# Allegro board 1155000-zp-dic_pda_8ch_board_v002.brd (continued)
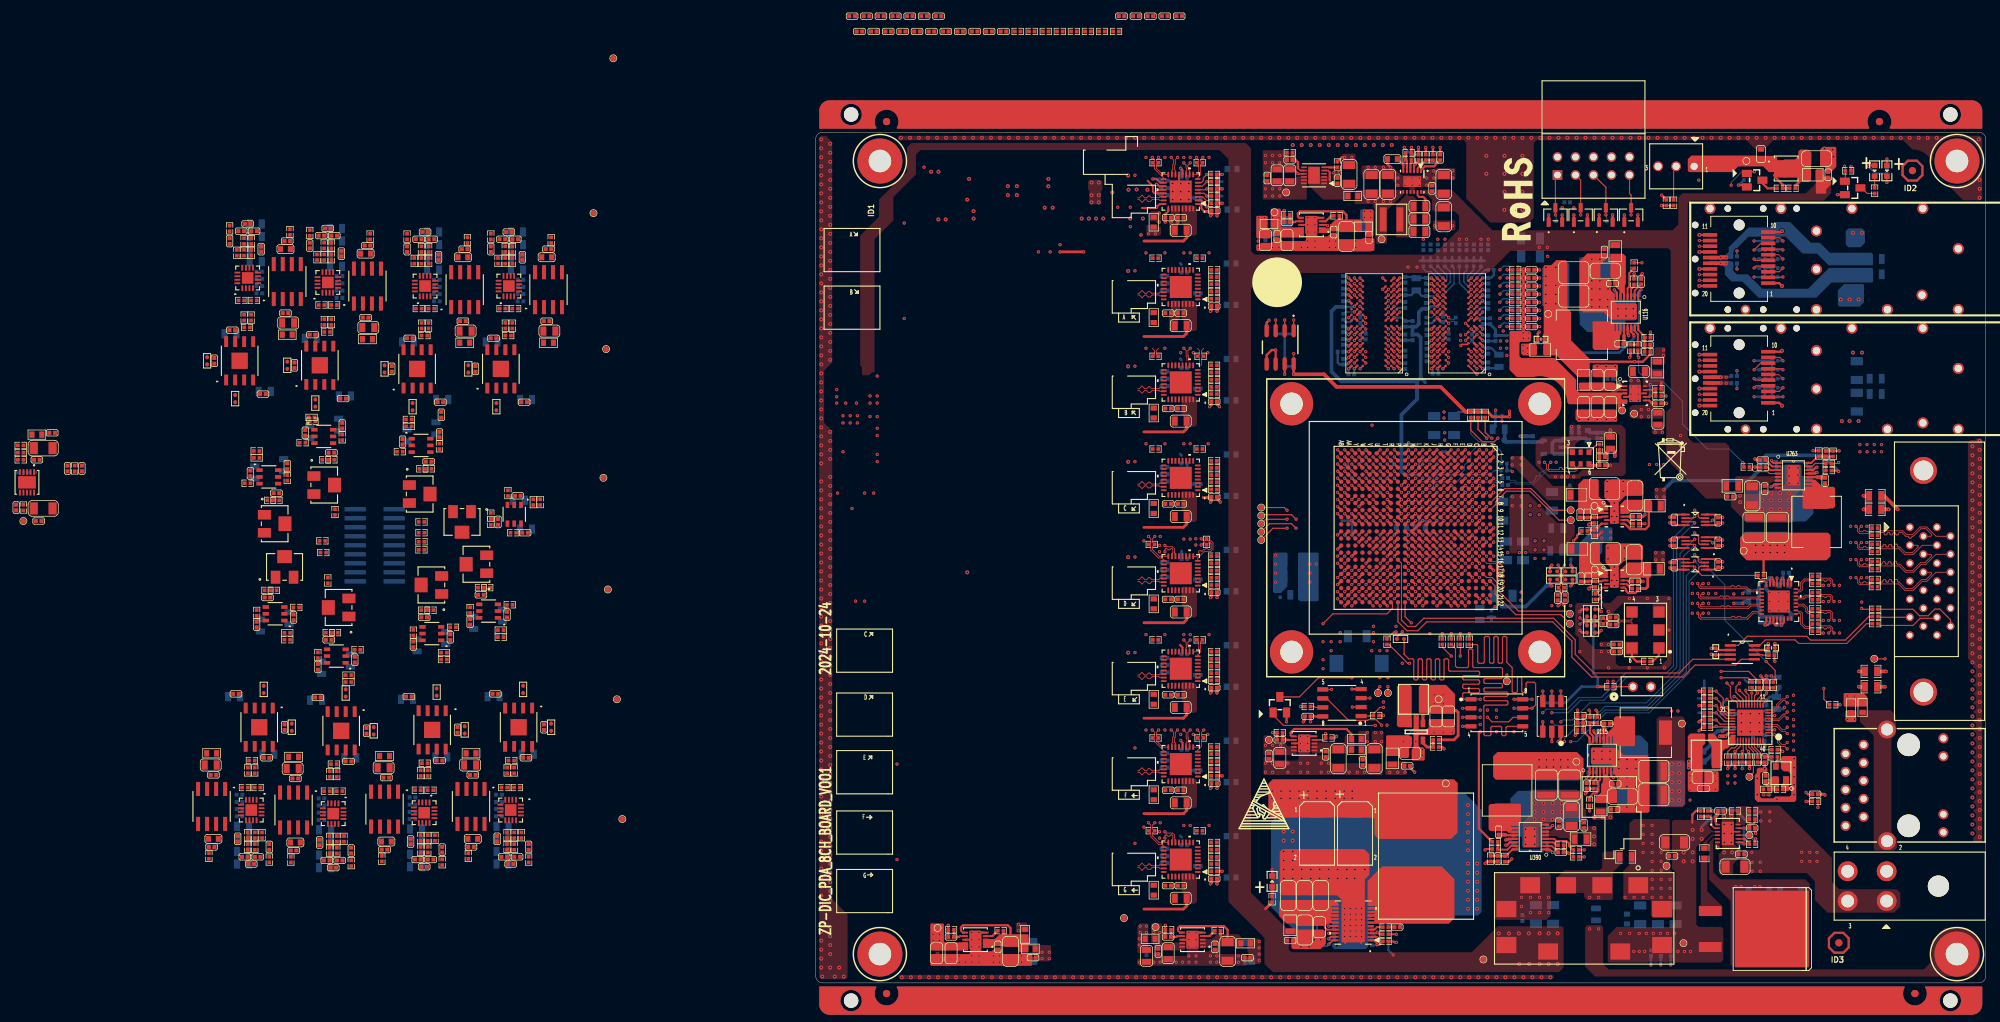
[diagram p0: board, top side]
## Nets (continued)
ADC3_CLK_N: R3055.1 U1.B12(IO_L2N_T0_AD8N_15) U372.16(CLK-)
ADC3_CLK_P: R3055.2 U1.C12(IO_L2P_T0_AD8P_15) U372.17(CLK+)
ADC3_CNV_N: R3054.1 U1.F16(IO_L3N_T0_DQS_AD1N_15) U372.8(CNV-)
ADC3_CNV_P: R3054.2 U1.F15(IO_L3P_T0_DQS_AD1P_15) U372.9(CNV+)
ADC3_DATA_N: U1.G16(IO_L1N_T0_AD0N_15) U372.10(D-)
ADC3_DATA_P: U1.G15(IO_L1P_T0_AD0P_15) U372.11(D+)
ADC3_DCO_N: U1.D16(IO_L11N_T1_SRCC_AD12N_15) U372.14(DCO-)
ADC3_DCO_P: U1.D15(IO_L11P_T1_SRCC_AD12P_15) U372.15(DCO+)
ADC3_EN0: R3063.2 R3064.2 U372.4(EN0)
ADC3_EN1: R3061.2 R3062.2 U372.5(EN1)
ADC3_EN2: R3059.2 R3060.2 U372.6(EN2)
ADC3_EN3: R3057.2 R3058.2 U372.7(EN3)
ADC3_IN+: C3183.2(CAP1) C3184.1(CAP2) R2775.2 U372.23(IN+)
ADC3_IN-: C3181.2(CAP1) C3183.1(CAP2) R2768.2 U372.22(IN-)
ADC3_VCM_OUT: C3186.1(CAP2) C3311.2(CAP1) R3068.2 U355.9(VCOM)
ADC3_VIO: C3306.2(CAP1) L373.2 R3058.1 R3060.1 R3062.1 R3064.1 U372.12(VIO)
ADC3_VREF: C3307.1(CAP2) C3308.2(CAP1) R2186.2 U372.29(REF) U372.30(REF_2) U372.31(REF_3) U372.32(REF_4)
ADC4_CLK_N: R3076.1 U1.J17(IO_L16N_T2_A27_15) U375.16(CLK-)
ADC4_CLK_P: R3076.2 U1.J16(IO_L16P_T2_A28_15) U375.17(CLK+)
ADC4_CNV_N: R3075.1 U1.G17(IO_L15N_T2_DQS_ADV_B_15) U375.8(CNV-)
ADC4_CNV_P: R3075.2 U1.H17(IO_L15P_T2_DQS_15) U375.9(CNV+)
ADC4_DATA_N: U1.E19(IO_L17N_T2_A25_15) U375.10(D-)
ADC4_DATA_P: U1.F18(IO_L17P_T2_A26_15) U375.11(D+)
ADC4_DCO_N: U1.D17(IO_L14N_T2_SRCC_15) U375.14(DCO-)
ADC4_DCO_P: U1.E16(IO_L14P_T2_SRCC_15) U375.15(DCO+)
ADC4_EN0: R3084.2 R3085.2 U375.4(EN0)
ADC4_EN1: R3082.2 R3083.2 U375.5(EN1)
ADC4_EN2: R3080.2 R3081.2 U375.6(EN2)
ADC4_EN3: R3078.2 R3079.2 U375.7(EN3)
ADC4_IN+: U375.23(IN+)
ADC4_IN-: U375.22(IN-)
ADC4_VCM_OUT: C3325.2(CAP1) R3089.2
ADC4_VIO: C3320.2(CAP1) L376.2 R3079.1 R3081.1 R3083.1 R3085.1 U375.12(VIO)
ADC4_VREF: C3321.1(CAP2) C3322.2(CAP1) R2187.2 U375.29(REF) U375.30(REF_2) U375.31(REF_3) U375.32(REF_4)
ADC5_CLK_N: R3096.1 U1.Y22(IO_L7N_T1_13) U378.16(CLK-)
ADC5_CLK_P: R3096.2 U1.Y21(IO_L7P_T1_13) U378.17(CLK+)
ADC5_CNV_N: R3097.1 U1.AB21(IO_L8N_T1_13) U378.8(CNV-)
ADC5_CNV_P: R3097.2 U1.AA20(IO_L8P_T1_13) U378.9(CNV+)
ADC5_DATA_N: U1.AB22(IO_L9N_T1_DQS_13) U378.10(D-)
ADC5_DATA_P: U1.AA21(IO_L9P_T1_DQS_13) U378.11(D+)
ADC5_DCO_N: U1.Y19(IO_L13N_T2_MRCC_13) U378.14(DCO-)
ADC5_DCO_P: U1.Y18(IO_L13P_T2_MRCC_13) U378.15(DCO+)
ADC5_EN0: R3105.2 R3106.2 U378.4(EN0)
ADC5_EN1: R3103.2 R3104.2 U378.5(EN1)
ADC5_EN2: R3101.2 R3102.2 U378.6(EN2)
ADC5_EN3: R3099.2 R3100.2 U378.7(EN3)
ADC5_IN+: C3114.2(CAP1) C3115.1(CAP2) R2712.2 U378.23(IN+)
ADC5_IN-: C3112.2(CAP1) C3114.1(CAP2) R2705.2 U378.22(IN-)
ADC5_VCM_OUT: C3117.1(CAP2) C3339.2(CAP1) R3110.2 U345.9(VCOM)
ADC5_VIO: C3334.2(CAP1) L379.2 R3100.1 R3102.1 R3104.1 R3106.1 U378.12(VIO)
ADC5_VREF: C3335.1(CAP2) C3336.2(CAP1) R2196.2 U378.29(REF) U378.30(REF_2) U378.31(REF_3) U378.32(REF_4)
ADC6_CLK_N: R3118.1 U1.A16(IO_L8N_T1_AD3N_15) U381.16(CLK-)
ADC6_CLK_P: R3118.2 U1.B16(IO_L8P_T1_AD3P_15) U381.17(CLK+)
ADC6_CNV_N: R3117.1 U1.A15(IO_L9N_T1_DQS_AD11N_15) U381.8(CNV-)
ADC6_CNV_P: R3117.2 U1.B15(IO_L9P_T1_DQS_AD11P_15) U381.9(CNV+)
ADC6_DATA_N: U1.C15(IO_L7N_T1_AD10N_15) U381.10(D-)
ADC6_DATA_P: U1.C14(IO_L7P_T1_AD10P_15) U381.11(D+)
ADC6_DCO_N: U1.E18(IO_L13N_T2_MRCC_15) U381.14(DCO-)
ADC6_DCO_P: U1.E17(IO_L13P_T2_MRCC_15) U381.15(DCO+)
ADC6_EN0: R3126.2 R3127.2 U381.4(EN0)
ADC6_EN1: R3124.2 R3125.2 U381.5(EN1)
ADC6_EN2: R3122.2 R3123.2 U381.6(EN2)
ADC6_EN3: R3120.2 R3121.2 U381.7(EN3)
ADC6_IN+: C3229.2(CAP1) C3230.1(CAP2) R2817.2 U381.23(IN+)
ADC6_IN-: C3227.2(CAP1) C3229.1(CAP2) R2810.2 U381.22(IN-)
ADC6_VCM_OUT: C3232.1(CAP2) C3353.2(CAP1) R3131.2 U360.9(VCOM)
ADC6_VIO: C3348.2(CAP1) L382.2 R3121.1 R3123.1 R3125.1 R3127.1 U381.12(VIO)
ADC6_VREF: C3349.1(CAP2) C3350.2(CAP1) R2197.2 U381.29(REF) U381.30(REF_2) U381.31(REF_3) U381.32(REF_4)
ADC7_CLK_N: R3139.1 U1.AB18(IO_L15N_T2_DQS_13) U384.16(CLK-)
ADC7_CLK_P: R3139.2 U1.AA18(IO_L15P_T2_DQS_13) U384.17(CLK+)
ADC7_CNV_N: R3138.1 U1.AB16(IO_L16N_T2_13) U384.8(CNV-)
ADC7_CNV_P: R3138.2 U1.AB15(IO_L16P_T2_13) U384.9(CNV+)
ADC7_DATA_N: U1.AB17(IO_L17N_T2_13) U384.10(D-)
ADC7_DATA_P: U1.AA16(IO_L17P_T2_13) U384.11(D+)
ADC7_DCO_N: U1.Y17(IO_L14N_T2_SRCC_13) U384.14(DCO-)
ADC7_DCO_P: U1.W17(IO_L14P_T2_SRCC_13) U384.15(DCO+)
ADC7_EN0: R3147.2 R3148.2 U384.4(EN0)
ADC7_EN1: R3145.2 R3146.2 U384.5(EN1)
ADC7_EN2: R3143.2 R3144.2 U384.6(EN2)
ADC7_EN3: R3141.2 R3142.2 U384.7(EN3)
ADC7_IN+: C3160.2(CAP1) C3161.1(CAP2) R2754.2 U384.23(IN+)
ADC7_IN-: C3158.2(CAP1) C3160.1(CAP2) R2747.2 U384.22(IN-)
ADC7_VCM_OUT: C3163.1(CAP2) C3367.2(CAP1) R3152.2 U352.9(VCOM)
ADC7_VIO: C3362.2(CAP1) L385.2 R3142.1 R3144.1 R3146.1 R3148.1 U384.12(VIO)
ADC7_VREF: C3363.1(CAP2) C3364.2(CAP1) R2198.2 U384.29(REF) U384.30(REF_2) U384.31(REF_3) U384.32(REF_4)
ADC8_CLK_N: R3160.1 U1.B13(IO_L5N_T0_AD2N_15) U387.16(CLK-)
ADC8_CLK_P: R3160.2 U1.C13(IO_L5P_T0_AD2P_15) U387.17(CLK+)
ADC8_CNV_N: R3159.1 U1.D14(IO_L6N_T0_VREF_15) U387.8(CNV-)
ADC8_CNV_P: R3159.2 U1.E14(IO_L6P_T0_15) U387.9(CNV+)
ADC8_DATA_N: U1.A14(IO_L4N_T0_AD9N_15) U387.10(D-)
ADC8_DATA_P: U1.A13(IO_L4P_T0_AD9P_15) U387.11(D+)
ADC8_DCO_N: U1.C18(IO_L12N_T1_MRCC_AD5N_15) U387.14(DCO-)
ADC8_DCO_P: U1.C17(IO_L12P_T1_MRCC_AD5P_15) U387.15(DCO+)
ADC8_EN0: R3168.2 R3169.2 U387.4(EN0)
ADC8_EN1: R3166.2 R3167.2 U387.5(EN1)
ADC8_EN2: R3164.2 R3165.2 U387.6(EN2)
ADC8_EN3: R3162.2 R3163.2 U387.7(EN3)
ADC8_IN+: C3206.2(CAP1) C3207.1(CAP2) C3252.2(CAP1) C3253.1(CAP2) R2796.2 R2838.2 U387.23(IN+)
ADC8_IN-: C3204.2(CAP1) C3206.1(CAP2) C3250.2(CAP1) C3252.1(CAP2) R2789.2 R2831.2 U387.22(IN-)
ADC8_VCM_OUT: C3209.1(CAP2) C3255.1(CAP2) C3381.2(CAP1) R3173.2 U359.9(VCOM) U364.9(VCOM)
ADC8_VIO: C3376.2(CAP1) L388.2 R3163.1 R3165.1 R3167.1 R3169.1 U387.12(VIO)
ADC8_VREF: C3377.1(CAP2) C3378.2(CAP1) R2199.2 U387.29(REF) U387.30(REF_2) U387.31(REF_3) U387.32(REF_4)
ADC_PWREN: R3198.1 R3200.1 U1.R22(IO_L24N_T3_A00_D16_14)
CLK_SEL: J77.1 R2120.2 R2126.2 U1.F14(IO_6_T0_VREF_16)
DDR3_A_A0: R460.2 U1.AB5(IO_L1N_T0_33) U75.N3(A0) U76.N3(A0)
DDR3_A_A1: R461.2 U1.AA8(IO_L5N_T0_33) U75.P7(A1) U76.P7(A1)
DDR3_A_A2: R462.2 U1.W11(IO_L6P_T0_33) U75.P3(A2) U76.P3(A2)
DDR3_A_A3: R463.2 U1.AA6(IO_L3P_T0_DQS_33) U75.N2(A3) U76.N2(A3)
DDR3_A_A4: R464.2 U1.V10(IO_L15P_T2_DQS_33) U75.P8(A4) U76.P8(A4)
DDR3_A_A5: R465.2 U1.AB6(IO_L3N_T0_DQS_33) U75.P2(A5) U76.P2(A5)
DDR3_A_A6: R466.2 U1.AA9(IO_L5P_T0_33) U75.R8(A6) U76.R8(A6)
DDR3_A_A7: R467.2 U1.AA10(IO_L4P_T0_33) U75.R2(A7) U76.R2(A7)
DDR3_A_A8: R468.2 U1.U11(IO_L17N_T2_33) U75.T8(A8) U76.T8(A8)
DDR3_A_A9: R469.2 U1.AB7(IO_L2N_T0_33) U75.R3(A9) U76.R3(A9)
DDR3_A_A10: R470.2 U1.R7(IO_L8P_T1_33) U75.L7(A10/AP) U76.L7(A10/AP)
DDR3_A_A11: R471.2 U1.U10(IO_L14P_T2_SRCC_33) U75.R7(A11) U76.R7(A11)
DDR3_A_A12: R472.2 U1.AB8(IO_L2P_T0_33) U75.N7(A12/BC#) U76.N7(A12/BC#)
DDR3_A_A13: R473.2 U1.AB10(IO_L4N_T0_33) U75.T3(A13) U76.T3(A13)
DDR3_A_A14: R474.2 U1.T11(IO_L16P_T2_33) U75.T7(A14) U76.T7(A14)
DDR3_A_A15: R475.2 U1.V8(IO_L9N_T1_DQS_33) U75.M7(A15) U76.M7(A15)
DDR3_A_BA0: R476.2 U1.U8(IO_L9P_T1_DQS_33) U75.M2(BA0) U76.M2(BA0)
DDR3_A_BA1: R477.2 U1.T10(IO_L16N_T2_33) U75.N8(BA1) U76.N8(BA1)
DDR3_A_BA2: R478.2 U1.W10(IO_L15N_T2_DQS_33) U75.M3(BA2) U76.M3(BA2)
DDR3_A_CAS_B: R481.2 U1.R6(IO_L8N_T1_33) U75.K3(CAS#) U76.K3(CAS#)
DDR3_A_CKE: R483.2 U1.U6(IO_L10N_T1_33) U75.K9(CKE) U76.K9(CKE)
DDR3_A_CLK0_N: R488.2 U1.Y7(IO_L12N_T1_MRCC_33) U75.K7(CK#) U76.K7(CK#)
DDR3_A_CLK0_P: R488.1 U1.Y8(IO_L12P_T1_MRCC_33) U75.J7(CK) U76.J7(CK)
DDR3_A_D0: U1.W1(IO_L20P_T3_34) U75.E3(DQ0)
DDR3_A_D1: U1.AA3(IO_L23P_T3_34) U75.F7(DQ1)
DDR3_A_D2: U1.W5(IO_L19P_T3_34) U75.F2(DQ2)
DDR3_A_D3: U1.AA1(IO_L22P_T3_34) U75.F8(DQ3)
DDR3_A_D4: U1.AA4(IO_L24P_T3_34) U75.H3(DQ4)
DDR3_A_D5: U1.AB3(IO_L24N_T3_34) U75.H8(DQ5)
DDR3_A_D6: U1.Y1(IO_L20N_T3_34) U75.G2(DQ6)
DDR3_A_D7: U1.AB2(IO_L23N_T3_34) U75.H7(DQ7)
DDR3_A_D8: U1.U5(IO_L16N_T2_34) U75.D7(DQ8)
DDR3_A_D9: U1.T4(IO_L13P_T2_MRCC_34) U75.C3(DQ9)
DDR3_A_D10: U1.V3(IO_L17P_T2_34) U75.C8(DQ10)
DDR3_A_D11: U1.N5(IO_L18P_T2_34) U75.C2(DQ11)
DDR3_A_D12: U1.W2(IO_L17N_T2_34) U75.A7(DQ12)
DDR3_A_D13: U1.P5(IO_L18N_T2_34) U75.A2(DQ13)
DDR3_A_D14: U1.V4(IO_L14P_T2_SRCC_34) U75.B8(DQ14)
DDR3_A_D15: U1.T5(IO_L16P_T2_34) U75.A3(DQ15)
DDR3_A_D16: U1.R4(IO_L11N_T1_SRCC_34) U76.E3(DQ0)
DDR3_A_D17: U1.T1(IO_L10P_T1_34) U76.F7(DQ1)
DDR3_A_D18: U1.P4(IO_L11P_T1_SRCC_34) U76.F2(DQ2)
DDR3_A_D19: U1.R2(IO_L7N_T1_34) U76.F8(DQ3)
DDR3_A_D20: U1.P2(IO_L7P_T1_34) U76.H3(DQ4)
DDR3_A_D21: U1.U1(IO_L10N_T1_34) U76.H8(DQ5)
DDR3_A_D22: U1.R3(IO_L12P_T1_MRCC_34) U76.G2(DQ6)
DDR3_A_D23: U1.T3(IO_L12N_T1_MRCC_34) U76.H7(DQ7)
DDR3_A_D24: U1.N2(IO_L5N_T0_34) U76.D7(DQ8)
DDR3_A_D25: U1.L1(IO_L2N_T0_34) U76.C3(DQ9)
DDR3_A_D26: U1.L5(IO_L6P_T0_34) U76.C8(DQ10)
DDR3_A_D27: U1.L3(IO_L1P_T0_34) U76.C2(DQ11)
DDR3_A_D28: U1.M3(IO_L1N_T0_34) U76.A7(DQ12)
DDR3_A_D29: U1.K1(IO_L2P_T0_34) U76.A2(DQ13)
DDR3_A_D30: U1.N3(IO_L5P_T0_34) U76.B8(DQ14)
DDR3_A_D31: U1.K2(IO_L4N_T0_34) U76.A3(DQ15)
DDR3_A_DM0: U1.AB1(IO_L22N_T3_34) U75.E7(LDM)
DDR3_A_DM1: U1.U3(IO_L13N_T2_MRCC_34) U75.D3(UDM)
DDR3_A_DM2: U1.P1(IO_L8P_T1_34) U76.E7(LDM)
DDR3_A_DM3: U1.K3(IO_L4P_T0_34) U76.D3(UDM)
DDR3_A_DQS0_N: U1.Y2(IO_L21N_T3_DQS_34) U75.G3(LDQS#)
DDR3_A_DQS0_P: U1.Y3(IO_L21P_T3_DQS_34) U75.F3(LDQS)
DDR3_A_DQS1_N: U1.V2(IO_L15N_T2_DQS_34) U75.B7(UDQS#)
DDR3_A_DQS1_P: U1.U2(IO_L15P_T2_DQS_34) U75.C7(UDQS)
DDR3_A_DQS2_N: U1.N4(IO_L9N_T1_DQS_34) U76.G3(LDQS#)
DDR3_A_DQS2_P: U1.M5(IO_L9P_T1_DQS_34) U76.F3(LDQS)
DDR3_A_DQS3_N: U1.M1(IO_L3N_T0_DQS_34) U76.B7(UDQS#)
DDR3_A_DQS3_P: U1.M2(IO_L3P_T0_DQS_34) U76.C7(UDQS)
DDR3_A_ODT: R484.2 U1.Y6(IO_L7N_T1_33) U75.K1(ODT0) U76.K1(ODT0)
DDR3_A_RAS_B: R482.2 U1.W6(IO_L7P_T1_33) U75.J3(RAS#) U76.J3(RAS#)
DDR3_A_RESET_B: R8.1 U1.W12(IO_L19P_T3_33) U75.T2(RESET#) U76.T2(RESET#)
DDR3_A_S0_B: R479.2 U1.AA5(IO_L1P_T0_33) U75.L2(CS#) U76.L2(CS#)
DDR3_A_WE_B: R480.2 U1.U7(IO_L10P_T1_33) U75.L3(WE#) U76.L3(WE#)
EEPROM_CS_B: R2152.2 U1.M20(IO_L18P_T2_A12_D28_14) U273.1(C\S\)
EEPROM_SCK: U1.L21(IO_L18N_T2_A11_D27_14) U273.6(SCK)
EEPROM_SI: U1.R18(IO_L19P_T3_A10_D26_14) U273.5(SI)
EEPROM_SO: U1.R19(IO_L19N_T3_A09_D25_VREF_14) U273.2(SO)
EEPROM_WP_B: U1.P19(IO_L20P_T3_A08_D24_14) U273.3(W\P\)
FAN_FG: R1928.2 R1929.2 U1.N20(IO_L17P_T2_A14_D30_14)
FPGA_CCLK_R: R507.1 U1.G7(CCLK_0)
FPGA_CONFIG_D0_R: R503.1 U1.H18(IO_L1P_T0_D00_MOSI_14)
FPGA_CONFIG_D1_R: R505.1 U1.H19(IO_L1N_T0_D01_DIN_14)
FPGA_CONFIG_D2_R: R509.1 U1.G18(IO_L2P_T0_D02_14)
FPGA_CONFIG_D3_R: R511.1 U1.F19(IO_L2N_T0_D03_14)
FPGA_DONE_R: Q15.1(GATE) R395.2 U1.P6(DONE_0)
FPGA_INIT_B_R: R4.2 U1.L7(INIT_B_0)
FPGA_M0: R337.1 R342.2 U1.H7(M0_0)
FPGA_M1: R338.1 R341.2 U1.H6(M1_0)
FPGA_M2: R339.1 R340.2 U1.J5(M2_0)
FPGA_MASTER_CLOCK_C_N: C3010.2(CAP1) R2208.2 R2210.2 R2211.1 U1.G10(IO_L13N_T2_MRCC_16)
FPGA_MASTER_CLOCK_C_P: C3009.2(CAP1) R2209.2 R2210.1 R2212.1 U1.G11(IO_L13P_T2_MRCC_16)
FPGA_MASTER_CLOCK_N: C3010.1(CAP2) U103.5(OUT-)
FPGA_MASTER_CLOCK_P: C3009.1(CAP2) U103.4(OUT+)
FPGA_PROG_B_R: R42.2 U1.M6(PROGRAM_B_0)
FPGA_RESET: R41.1 U1.E8(IO_24_T3_16)
FPGA_SFP1_LOS: P3.8(LOS) R14.2 U287.7(B1)
FPGA_SFP1_LOS_1V8: U1.K21(IO_L16P_T2_CSI_B_14) U287.2(A1)
FPGA_SFP1_RX_N: P3.12(RD_N) U1.G3(MGTXRXN0_115)
FPGA_SFP1_RX_P: P3.13(RD_P) U1.G4(MGTXRXP0_115)
FPGA_SFP1_TX_DIS_1V8: U1.M17(IO_L14P_T2_SRCC_14) U49.7(B1)
FPGA_SFP1_TX_DISABLE: P3.3(TX_DISABLE) R12.2 U49.2(A1)
FPGA_SFP1_TX_N: P3.19(TD_N) U1.F1(MGTXTXN0_115)
FPGA_SFP1_TX_P: P3.18(TD_P) U1.F2(MGTXTXP0_115)
FPGA_SFP1_VCCR: C23.1(CAP2) C114.1(CAP2) L6.2 P3.15(VCCR)
FPGA_SFP1_VCCT: C22.1(CAP2) C115.1(CAP2) L7.2 P3.16(VCCT)
FPGA_SFP2_LOS: P4.8(LOS) R2151.2 U287.6(B2)
FPGA_SFP2_LOS_1V8: U1.K22(IO_L16N_T2_A15_D31_14) U287.3(A2)
FPGA_SFP2_RX_N: P4.12(RD_N) U1.C3(MGTXRXN2_115)
FPGA_SFP2_RX_P: P4.13(RD_P) U1.C4(MGTXRXP2_115)
FPGA_SFP2_TX_DIS_1V8: U1.M18(IO_L14N_T2_SRCC_14) U49.6(B2)
FPGA_SFP2_TX_DISABLE: P4.3(TX_DISABLE) R2147.2 U49.3(A2)
FPGA_SFP2_TX_N: P4.19(TD_N) U1.B1(MGTXTXN2_115)
FPGA_SFP2_TX_P: P4.18(TD_P) U1.B2(MGTXTXP2_115)
FPGA_SFP2_VCCR: C2490.1(CAP2) C2491.1(CAP2) L290.2 P4.15(VCCR)
FPGA_SFP2_VCCT: C2492.1(CAP2) C2493.1(CAP2) L291.2 P4.16(VCCT)
FPGA_TCK: D2.3 J1.1 R456.2 U1.K7(TCK_0)
FPGA_TDI: D5.3 J1.9 U1.K6(TDI_0)
FPGA_TDO: D3.3 J1.3 U1.J6(TDO_0)
FPGA_TIMING_LVDS_EN: R2135.2 U271.8(EN) U286.2(A1)
FPGA_TIMING_LVDS_EN_1V8: U1.N22(IO_L15P_T2_DQS_RDWR_B_14) U286.7(B1)
FPGA_TMS: D4.3 J1.5 R455.2 U1.L6(TMS_0)
INPUT_GND: C1134.2(CAP1) C1136.1(CAP2) C1139.2(CAP1) C1140.2(CAP1) C1142.2(CAP1) C1144.2(CAP1) C1145.1(CAP2) C1146.1(CAP2) C1147.2(CAP1) C1148.1(CAP2) C1149.2(CAP1) C1150.2(CAP1) C1151.2(CAP1) C1152.1(CAP2) J18.2(GND#2) J18.4(GND#4) R1036.2 R1063.2 R2122.1 TP38.1 U111.1(BUS-1) U111.10(BUS-2) U112.10(GND) U112.13(HOTGND)
MGTAVCC: C144.1(CAP2) C426.1(CAP2) C427.1(CAP2) L100.2 U1.A6(MGTAVCC#A6) U1.C6(MGTAVCC#C6) U1.E6(MGTAVCC#E6) U1.G6(MGTAVCC#G6)
MGTAVCC_PG: R1100.2 R1115.1 U118.5(PG)
MGTAVTT: C146.1(CAP2) C430.1(CAP2) C431.1(CAP2) L102.2 R165.2 U1.A2(MGTAVTT#A2) U1.C2(MGTAVTT#C2) U1.E2(MGTAVTT#E2) U1.G2(MGTAVTT#G2) U1.H1(MGTAVTTRCAL_115)
MGTAVTT_PG: R1116.2 U1.N17(IO_L23N_T3_A02_D18_14)
MGTVCCAUX: C2488.1(CAP2) C2489.2(CAP1) L287.2 TP146.1 U272.5(VOUT)
PDA_CH5: J60.3(CH5) R3211.1
PDA_CH6: J60.15(CH6) R3208.1
PDA_CH7: J60.4(CH7) R3209.1
PDA_CH8: J60.14(CH8) R3210.1
PDA_CH9: J60.5(CH9) R3207.1
PDA_CH10: J60.13(CH10) R3212.1
PDA_CH11: J60.6(CH11) R3213.1
PDA_CH12: J60.12(CH12) R3214.1
PMT_CHANNEL_SELECT_1: J78.6 R2156.2 U1.H10(IO_18_T2_16)
PMT_CHANNEL_SELECT_2: J78.5 R2155.2 U1.D9(IO_L19P_T3_16)
PMT_CHANNEL_SELECT_3: J78.4 R2154.2 U1.C9(IO_L19N_T3_VREF_16)
QSPI_CLK: R507.2 U102.6(CLK)
QSPI_CS_B: R496.2 R502.2 U102.1(C\S\)
QSPI_CS_B_R: R502.1 U1.L16(IO_L6P_T0_FCS_B_14)
QSPI_MISO0: R503.2 U102.5(DI/IO0)
QSPI_MISO1: R505.2 U102.2(DO/IO1)
QSPI_MISO2: R497.2 R509.2 U102.3(\W\P\/IO2)
QSPI_MISO3: R498.2 R511.2 U102.7(\H\O\L\D\/IO3)
RF_ENABLE: R2124.2 U154.8(B1)
RF_ENABLE_1V8: U1.P22(IO_L22N_T3_A04_D20_14) U154.5(A1)
RF_FAULT: R2125.2 U154.1(B2)
RF_FAULT_1V8: U1.P16(IO_L23P_T3_A03_D19_14) U154.4(A2)
RF_FPS_TRIGGER_N: U1.H8(IO_L16N_T2_16) U271.12(IN1-)
RF_FPS_TRIGGER_N_C: J75.8(SERTFG-) R2216.2
RF_FPS_TRIGGER_P: U1.H9(IO_L16P_T2_16) U271.11(IN1+)
RF_FPS_TRIGGER_P_C: J75.21(SERTFG+) R2215.2
RF_MOD_IN_FIXED_N: U1.F8(IO_L17N_T2_16) U271.14(IN2-)
RF_MOD_IN_FIXED_N_C: J75.9(CC1-) R2218.2
RF_MOD_IN_FIXED_P: U1.G8(IO_L17P_T2_16) U271.13(IN2+)
RF_MOD_IN_FIXED_P_C: J75.22(CC1+) R2217.2
RF_MOD_IN_VARIABLE_N: U1.E9(IO_L15N_T2_DQS_16) U271.16(IN3-)
RF_MOD_IN_VARIABLE_N_C: J75.23(CC2-) R2220.2
RF_MOD_IN_VARIABLE_P: U1.F9(IO_L15P_T2_DQS_16) U271.15(IN3+)
RF_MOD_IN_VARIABLE_P_C: J75.10(CC2+) R2219.2
RF_SYNC_N: R2226.2 U1.F13(IO_L8N_T1_16)
RF_SYNC_P: R2225.2 U1.G13(IO_L8P_T1_16)
SFP_MGT_REFCLK_C_N: C989.1(CAP2) U1.D5(MGTREFCLK0N_115)
SFP_MGT_REFCLK_C_P: C990.1(CAP2) U1.D6(MGTREFCLK0P_115)
SFP_MGT_REFCLK_N: C989.2(CAP1) U270.5(CLKN)
SFP_MGT_REFCLK_P: C990.2(CAP1) U270.4(CLKP)
SFPGA_25M_OSC_ETH: C865.1(CAP2) R858.2 U93.37(XTAL_OUT/EXT_CLK)
SFPGA_ETH_LED0: R2242.2 R2248.1 U93.32(LED_0/CFG_EXT)
SFPGA_ETH_LED1: R835.1 R2244.2 R2250.1 U93.33(LED_1/CFG_LDO0)
SFPGA_ETH_LED2: J6.12 R2245.2 R2249.1 U93.34(LED_2/CFG_LDO1)
SFPGA_ETH_RESET_B: R853.2 U286.3(A2)
SFPGA_ETH_RST#_1V8: U1.M22(IO_L15N_T2_DQS_DOUT_CSO_B_14) U286.6(B2)
SFPGA_ETH_TD_M_A: J6.3 U93.2(MDIN0)
SFPGA_ETH_TD_M_B: J6.7 U93.5(MDIN1)
SFPGA_ETH_TD_M_C: J6.6 U93.7(MDIN2)
SFPGA_ETH_TD_M_D: J6.9 U93.10(MDIN3)
SFPGA_ETH_TD_P_A: J6.2 U93.1(MDIP0)
SFPGA_ETH_TD_P_B: J6.4 U93.4(MDIP1)
SFPGA_ETH_TD_P_C: J6.5 U93.6(MDIP2)
SFPGA_ETH_TD_P_D: J6.8 U93.9(MDIP3)
SFPGA_RGMII_MDC: R854.2 U1.G20(IO_L4P_T0_D04_14)
SFPGA_RGMII_MDIO: R855.2 U1.F20(IO_L4N_T0_D05_14)
SFPGA_RGMII_RX_CLK: R2229.2 R2233.1 U1.L19(IO_L12P_T1_MRCC_14) U93.27(RX_CLK/PHYAD1)
SFPGA_RGMII_RX_CTL: R2231.2 R2234.1 U1.J21(IO_L10P_T1_D14_14) U93.26(RX_CTRL/PHYAD2)
SFPGA_RGMII_RXD0: R2236.2 R2238.1 U1.H22(IO_L8P_T1_D11_14) U93.25(RX_D0/RXDLY)
SFPGA_RGMII_RXD1: R2235.2 R2237.1 U1.G22(IO_L8N_T1_D12_14) U93.24(RX_D1/TXDLY)
SFPGA_RGMII_RXD2: R2239.1 R2240.2 U1.G21(IO_L9P_T1_DQS_14) U93.23(RX_D2/PLLOFF)
SFPGA_RGMII_RXD3: R2230.2 R2232.1 U1.F21(IO_L9N_T1_DQS_D13_14) U93.22(RX_D3/PHYAD0)
SFPGA_RGMII_TX_CLK: U1.J20(IO_L11P_T1_SRCC_14) U93.20(GTX_CLK)
SFPGA_RGMII_TX_CTL: U1.E22(IO_L7N_T1_D10_14) U93.19(TX_CTRL)
SFPGA_RGMII_TXD0: U1.L18(IO_L5P_T0_D06_14) U93.18(TD_D0)
SFPGA_RGMII_TXD1: U1.K19(IO_L5N_T0_D07_14) U93.17(TD_D1)
SFPGA_RGMII_TXD2: U1.K17(IO_L6N_T0_D08_VREF_14) U93.16(TD_D2)
SFPGA_RGMII_TXD3: U1.E21(IO_L7P_T1_D09_14) U93.15(TD_D3)
SYS_CLK_CON_N: C939.1(CAP2) J75.5(XCLK-)
SYS_CLK_CON_P: C940.1(CAP2) J75.18(XCLK+)
TIMING_SPI_CLK_N: U1.E12(IO_L10N_T1_16) U271.10(IN0-)
TIMING_SPI_CLK_N_C: J75.20(SERTC-) R2214.2
TIMING_SPI_CLK_P: U1.E13(IO_L10P_T1_16) U271.9(IN0+)
TIMING_SPI_CLK_P_C: J75.7(SERTC+) R2213.2
TIMING_SPI_CSN_N: R2224.2 U1.H13(IO_L9N_T1_DQS_16)
TIMING_SPI_CSN_P: R2223.2 U1.H14(IO_L9P_T1_DQS_16)
TIMING_SPI_MISO_N: R2228.2 U1.F10(IO_L11N_T1_SRCC_16)
TIMING_SPI_MISO_P: R2227.2 U1.F11(IO_L11P_T1_SRCC_16)
TIMING_SPI_MOSI_N: R2222.2 U1.C10(IO_L7N_T1_16)
TIMING_SPI_MOSI_P: R2221.2 U1.D10(IO_L7P_T1_16)
TIMING_SYNC_REFCLK_N: C939.2(CAP1) R2127.2 R2205.2 R2207.1 U1.D11(IO_L12N_T1_MRCC_16)
TIMING_SYNC_REFCLK_P: C940.2(CAP1) R2127.1 R2204.2 R2206.1 U1.E11(IO_L12P_T1_MRCC_16)
TMP75_ALERT: R501.2 U1.P21(IO_L22P_T3_A05_D21_14) U79.3(ALERT)
TMP75_IIC_SCL: R500.2 U1.P17(IO_L21N_T3_DQS_A06_D22_14) U79.2(SCL)
TMP75_IIC_SDA: R499.2 U1.R17(IO_L21P_T3_DQS_14) U79.1(SDA)
VREG: C1158.1(CAP2) R1041.1 R1050.1 U113.18(VREG)
VRN_33: R2140.2 U1.T6(IO_0_VRN_33)
VRN_34: R2142.2 U1.K4(IO_0_VRN_34)
VRP_33: R2141.1 U1.T14(IO_25_VRP_33)
VRP_34: R2143.1 U1.V5(IO_25_VRP_34)
VTTDDR: C13.1(CAP2) C14.1(CAP2) C15.1(CAP2) C342.1(CAP2) C343.1(CAP2) C344.1(CAP2) C521.1(CAP2) C522.1(CAP2) C523.1(CAP2) C524.1(CAP2) C525.1(CAP2) C526.1(CAP2) C527.1(CAP2) C546.1(CAP2) C547.1(CAP2) C548.1(CAP2) C549.1(CAP2) C550.1(CAP2) C551.1(CAP2) C552.1(CAP2) C553.1(CAP2) C554.1(CAP2) C555.1(CAP2) R460.1 R461.1 R462.1 R463.1 R464.1 R465.1 R466.1 R467.1 R468.1 R469.1 R470.1 R471.1 R472.1 R473.1 R474.1 R475.1 R476.1 R477.1 R478.1 R479.1 R480.1 R481.1 R482.1 R483.1 R484.1 TP48.1 U23.3(VO) U23.5(VOSNS)
VTTVREF: C97.1(CAP2) C187.2(CAP1) C462.1(CAP2) C463.1(CAP2) C491.1(CAP2) C492.1(CAP2) C506.1(CAP2) C507.1(CAP2) C520.1(CAP2) C544.2(CAP1) C545.1(CAP2) C563.1(CAP2) C573.1(CAP2) C640.1(CAP2) TP49.1 U1.L4(IO_L6N_T0_VREF_34) U1.Y4(IO_L19N_T3_VREF_34) U1.Y11(IO_L6N_T0_VREF_33) U1.Y12(IO_L19N_T3_VREF_33) U23.6(REFOUT) U75.H1(VREFDQ) U75.M8(VREFCA) U76.H1(VREFDQ) U76.M8(VREFCA)
XADC_AGND: C2.2(CAP1) L3.2 U1.K11(GNDADC_0) U1.L11(VREFN_0) U1.M12(VREFP_0)
XADC_VCC: C2.1(CAP2) L5.1 U1.K12(VCCADC_0)
$7N830: Q15.3(DRAIN) R396.1
$7N832: DS10.2 R396.2
$45N24: C271.1(CAP2) R219.1 R221.2 U23.1(REFIN)
$45N300: DS18.2 Q10.3(DRAIN)
$45N301: DS18.1 R87.2
N319534: R458.1 U75.L8(ZQ)
N335210: R490.1 U76.L8(ZQ)
N576871: P3.4(SDA) R517.2
N577021: P3.9(RS1) R391.2
N577039: P3.7(RS0) R392.2
N577057: P3.6(MOD_ABS) R13.2
N577143: P3.2(TX_FAULT) R11.2
N594453: P3.5(SCL) R516.2
N1143708: R858.1 U94.3(OUT)
N1143734: C839.1(CAP2) L45.1 R848.2 U94.4(VCC)
N1143746: R848.1 U94.1(OE)
N1146237: C3011.2(CAP1) J6.1
N16645850: R2122.2 R2123.2 U111.2(SHIELD1) U111.3(SHIELD2)
N16650422: Q1.D R2130.2 U112.5(SNS)
N16650464: C1146.2(CAP1) R1038.2 R1039.2 U112.7(SHDN) U112.11(AOUT)
N16650476: R1036.1 R1037.2 R1039.1 U112.12(IN+)
N16650588: R1033.2 U112.8(FLT)
N16650604: R1062.2 U112.4(GATE)
N16650648: Q1.G R1062.1
N16650778: C1151.1(CAP2) U112.1(TMR)
N16650844: R1040.2 R1063.1 U112.2(FB)
N16650852: TP40.1 U112.9(EN)
N16651124: R1034.2 R2130.1
N16671344: C1153.1(CAP2) C1154.1(CAP2) C1155.1(CAP2) C1156.1(CAP2) C1157.1(CAP2) L89.2 U113.12(VIN) U113.13(VIN_1) U113.14(VIN_2) U113.15(VIN_3) U113.16(VIN_4) U113.17(VIN_5) U113.19(VDD)
N16672317: R1044.2 U113.20(MODE)
N16672324: R1043.2 U113.21(TRIP)
N16672331: R1042.2 R1050.2 U113.22(RF)
N16672704: C1159.1(CAP2) L85.2 U113.6(LL) U113.7(LL_1) U113.8(LL_2) U113.9(LL_3) U113.10(LL_4) U113.11(LL_5)
N16673248: R1046.2 R1047.1 U113.1(VFB)
N16673267: R1049.1 U113.4(VBST)
N16673329: C1159.2(CAP1) R1049.2
N16673629: R1045.2 R1048.1 U113.2(EN)
N16716267: C1188.2(CAP1) C1197.1(CAP2) L93.2 U116.5(VIN1) U116.6(VIN2)
N16716359: R1067.2 U116.4(EN/UV)
N16716559: C1189.1(CAP2) R1071.2 U116.13(INTVCC)
N16716571: C1190.1(CAP2) U116.2(TR/SS)
N16716663: R1070.2 R1071.1 U116.1(SYNC)
N16716703: C1191.1(CAP2) L94.1 U116.9(SW1) U116.10(SW2) U116.11(SW3)
N16716707: C1191.2(CAP1) U116.12(BST)
N16716803: C1192.1(CAP2) R1072.1 R1073.1 U116.16(FB)
N16717075: R1068.1 U116.3(RT)
N16718397: R1074.2 R1075.2 U116.15(PG)
N16720636: C340.1(CAP2) C341.1(CAP2) L95.2 R221.1 U23.2(VLDOIN)
N16720676: C224.1(CAP2) L96.1 R3010.1 U23.7(EN) U23.10(VIN)
N16721374: R3010.2 R3011.1 U23.9(PGOOD)
N17765267: R1069.2 U116.7(NC)
N21090058: C930.2(CAP1) L54.1 R984.2 U103.6(VDD)
N21090105: R984.1 U103.1(VC/OE/S\T\)
N21330124: J61.2(P2) R1929.1
N21624044: C3272.2(CAP1) C3273.2(CAP1) C3274.2(CAP1) L365.2 U366.1(VDD1) U366.19(VDD1_2) U366.20(VDD1_3)
N21624153: C3275.2(CAP1) C3276.2(CAP1) C3277.2(CAP1) L366.2 U366.2(VDD2) U366.18(VDD2_2) U366.25(VDD2_3)
N21859607: J6.10 L242.2
N21904635: J6.14 R835.2
N21907439: C846.1(CAP2) C847.1(CAP2) L245.2 U93.28(DVDDRG)
N21907473: C3012.1(CAP2) R853.1 R2252.2 U93.12(PHYRSTB)
N21907487: C859.1(CAP2) C864.1(CAP2) L246.1 R2047.2 R2048.2
N21907526: C855.1(CAP2) R2048.1 U93.21(DVDD10)
N21907530: C852.1(CAP2) C853.1(CAP2) C854.1(CAP2) R2047.1 U93.3(AVDD10#3) U93.8(AVDD10#8) U93.38(AVDD10#38)
N21907545: C841.1(CAP2) C842.1(CAP2) C851.1(CAP2) L243.2 U93.11(AVDD33#11) U93.40(AVDD33#40)
N21907745: L246.2 U93.30(REG_OUT)
N21908077: R844.2 U93.36(XTAL_IN)
N21908106: C849.1(CAP2) C850.1(CAP2) L244.2 U93.29(DVDD33)
N21908110: R2251.1 U93.31(INTB/PMEB)
N21908185: TP20.1 U93.35(CLK_OUT)
N21908350: R855.1 R2247.1 U93.14(MDIO)
N21908430: R854.1 U93.13(MDC)
N21908573: R845.1 U93.39(RSET)
N21912553: DS24.1 R2050.2
N22238566: C2476.2(CAP1) C3053.1(CAP2) L125.2 L394.2 U129.1(IN) U129.2(IN_2) U129.3(EN/UV) U129.6(PGFB)
N22251628: C1177.2(CAP1) C1178.1(CAP2) L90.2 U115.5(VIN1) U115.6(VIN2)
N22251669: R1059.2 U115.4(EN/UV)
N22251767: C1175.1(CAP2) R1061.2 U115.13(INTVCC)
N22251781: C1176.1(CAP2) U115.2(TR/SS)
N22251829: R1061.1 R1064.2 U115.1(SYNC)
N22251845: C1179.1(CAP2) L86.1 U115.9(SW1) U115.10(SW2) U115.11(SW3)
N22251853: C1179.2(CAP1) U115.12(BST)
N22251889: R1066.2 U115.7(NC)
N22251891: C1180.1(CAP2) R1057.1 R1089.1 U115.16(FB)
N22252042: R1065.1 U115.3(RT)
N22252096: R1058.2 R1060.2 U115.15(PG)
N22256821: C1204.2(CAP1) C1205.1(CAP2) L98.2 U263.5(VIN1) U263.6(VIN2)
N22256857: R1077.2 U263.4(EN/UV)
N22256931: C1202.1(CAP2) R1079.2 U263.13(INTVCC)
N22256969: C1203.1(CAP2) U263.2(TR/SS)
N22257017: R1079.1 R1080.2 U263.1(SYNC)
N22257033: C1206.1(CAP2) L97.1 U263.9(SW1) U263.10(SW2) U263.11(SW3)
N22257041: C1206.2(CAP1) U263.12(BST)
N22257067: C1207.1(CAP2) R1085.1 R1086.1 U263.16(FB)
N22257227: R1083.1 U263.3(RT)
N22257272: R1076.2 R1078.2 U263.15(PG)
N22390089: C1215.1(CAP2) L99.2 R1101.1 U118.6(SS_CTRL) U118.9(IN) U118.10(IN_1)
N22390861: C1208.2(CAP1) U118.8(NR_SS)
N22391236: C1216.1(CAP2) R1091.1 R1098.1 U118.3(FB)
N22391841: C1216.2(CAP1) C1232.1(CAP2) L100.1 R1098.2 TP47.1 U118.1(OUT) U118.2(OUT_1)
N22401669: C1233.1(CAP2) C1234.2(CAP1) L102.1 R1113.2 TP52.1 U119.1(OUT) U119.2(OUT_1)
N22401678: C1234.1(CAP2) R1113.1 R1114.1 U119.3(FB)
N22401694: R1112.2 R1116.1 U119.5(PG)
N22401706: C1230.1(CAP2) L101.2 U119.6(SS_CTRL) U119.9(IN) U119.10(IN_1)
N22401776: C1231.2(CAP1) U119.8(NR_SS)
N22408855: R1101.2 U118.7(EN)
N22415812: R1115.2 U119.7(EN)
N22519847: J75.16(X1+) R2223.1
N22519853: J75.3(X1-) R2224.1
N22519875: J75.17(X2+) R2225.1
N22519885: J75.4(X2-) R2226.1
N22519963: J75.15(X0+) R2221.1
N22519965: J75.2(X0-) R2222.1
N22520015: J75.19(X3+) R2227.1
N22520025: J75.6(X3-) R2228.1
N22520500: J75.11(CC3-) R2125.1
N22520516: J75.25(CC4-) R2126.1
N22520561: J75.13(INNER SHIELD3) R2084.1
N22520570: J75.26(INNER SHIELD4) R2085.1
N22520917: J75.14(INNER SHIELD2) R2087.1
N22520923: J75.1(INNER SHIELD1) R2086.1
N22521027: J75.12(CC4+) TP138.1
N22948810: J75.24(CC3+) R2124.1
N22968010: C2467.1(CAP2) C2468.1(CAP2) C2469.2(CAP1) C2470.2(CAP1) C2471.1(CAP2) C2472.2(CAP1) C2473.2(CAP1) L283.2 U271.3(VDD) U271.4(VDD_2) U271.6(VDD_3) U271.7(VDD_4) U271.19(VDD_5) U271.20(VDD_6) U271.21(VDD_7) U271.22(VDD_8)
N22968119: R2213.1 U271.32(OUT0+)
N23032570: C2477.1(CAP2) R2137.1 U129.7(SET)
N23032940: R1150.2 U127.3(EN/UV) U129.4(PG)
N23136071: R276.1 U1.K18(IO_L3P_T0_DQS_PUDC_B_14)
N23136114: TP112.1 U1.J19(IO_L3N_T0_DQS_EMCCLK_14)
N23142000: R165.1 U1.H2(MGTRREF_115)
N23143795: TP116.1 U1.AB12(IO_L22N_T3_33)
N23143798: TP133.1 U1.V13(IO_L23P_T3_33)
N23143801: TP134.1 U1.V12(IO_L23N_T3_33)
N23143804: TP135.1 U1.T13(IO_L24P_T3_33)
N23143807: TP136.1 U1.U13(IO_L24N_T3_33)
N23147759: P4.4(SDA) R2145.2
N23147768: P4.9(RS1) R2150.2
N23147772: P4.7(RS0) R2149.2
N23147776: P4.6(MOD_ABS) R2148.2
N23147795: P4.2(TX_FAULT) R2146.2
N23147800: P4.5(SCL) R2144.2
N23169457: C2482.1(CAP2) C2483.1(CAP2) L287.1 U1.J4(MGTVCCAUX)
N23170636: C2450.2(CAP1) L282.1 R2121.2 U270.6(VDD)
N23170831: R2121.1 U270.1(OE)
